# Altium PCB uTCA_MCH_PCB3.pcbdoc (part 20 of 25)
Units mil, origin at the board's own origin, x right, y up, seen from the top; angles counter-clockwise.
Board outline 7110.66 x 2894.12 mil, 12 copper layers (Top Layer, GND1, MidLayer1, PWR1, MidLayer2, GND2, PWR2, MidLayer3, GND3, MidLayer4, PWR3, Bottom Layer), stack 63.15 mil thick; 767 components, 905 nets, 4553 pads, 2832 vias.
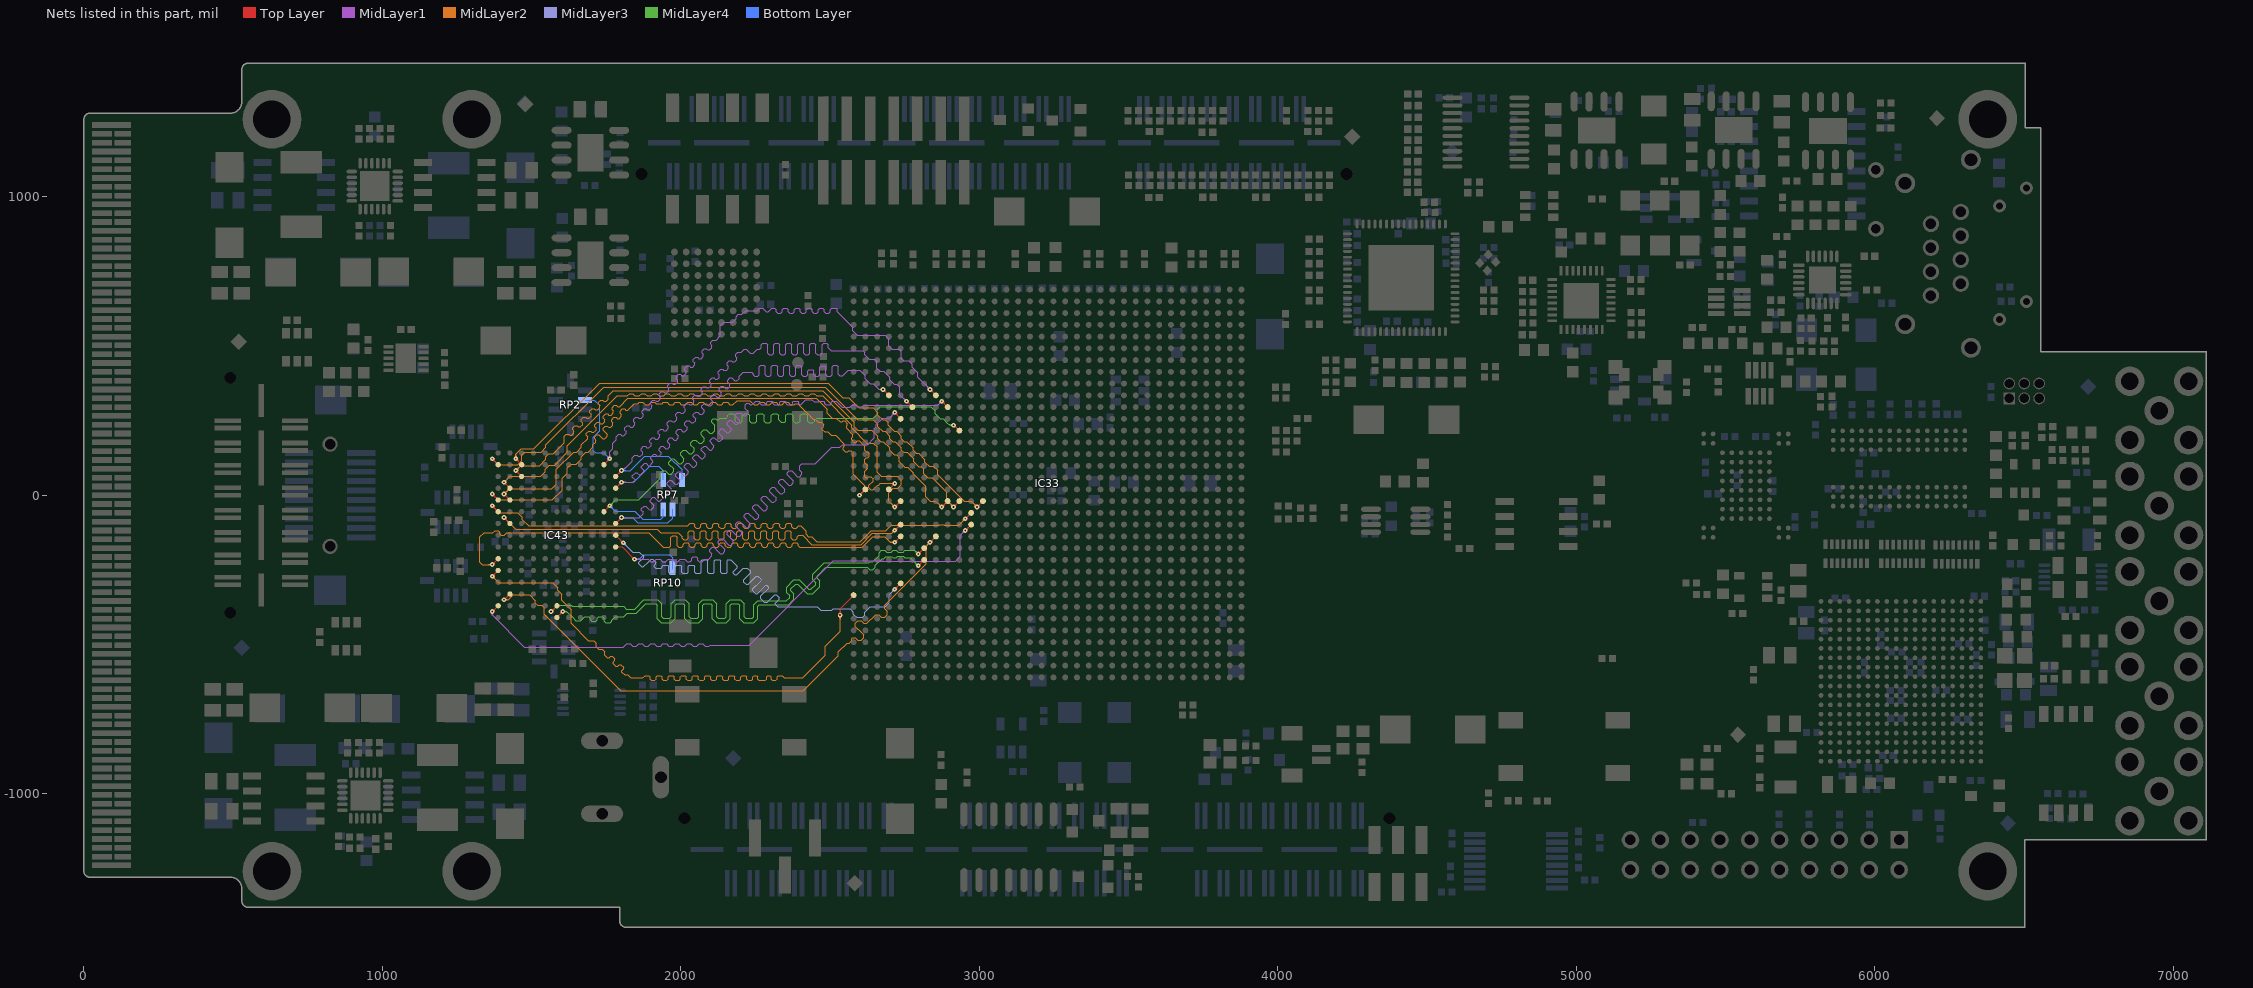
[diagram p30: the nets of this part, all layers, seen from the top]

## Via types
v1: diameter 15.75, hole 5.91, Top Layer to Bottom Layer, tented both sides, 2480 vias
v2: diameter 23.62, hole 11.81, Top Layer to Bottom Layer, tented both sides, 325 vias
v3: diameter 20, hole 10, Top Layer to Bottom Layer, tented both sides, 16 vias
v4: diameter 15.75, hole 7.87, Top Layer to Bottom Layer, tented both sides, 9 vias
v5: diameter 23.62, hole 11.81, Top Layer to Bottom Layer, 1 vias
v6: diameter 15.75, hole 5.91, Top Layer to Bottom Layer, 1 vias

## Nets (pads, with @x,y where several pads share a name; then routed paths per layer and width w, separated by ;. In a path a pad name is that pad's centre, name@x,y a point inside that pad or via, vN(x,y) a via of type N, cw(c..) or ccw(c..) an arc to the next point about the centre after c; other vN are vias at no path point) (continued)
Q2_D30: IC33.AK12 IC43.G1 RP10.4 | length 2219.6
  Top Layer w3.94: IC43.G1@1781.5,-173.23 1803.15,-173.23 v1(1844.48,-214.57) ; v1@1838.58,-214.57 ccw(c1824.31,-214.57) 1834.4,-204.48 ccw(c1844.48,-194.41) v1@1844.48,-208.66 ; v1@2716.54,271.65 cw(c2716.54,262.15) 2723.26,268.87 ; v1@2716.53,275.59 IC33.AK12@2736.22,255.91 ; v1@2718.5,277.56 ccw(c2728.01,277.56) 2721.29,270.84 ; v1@2722.44,277.56 ccw(c2741.45,277.56) 2728.01,264.12
  MidLayer1 w3.94: v1(1844.48,-214.57) 1891.05,-214.57 1898.92,-222.44 1909.07,-222.44 1916.94,-214.57 1931.63,-214.57 1939.5,-222.44 1949.65,-222.44 1957.52,-214.57 1972.21,-214.57 1980.08,-222.44 1990.23,-222.44 1998.1,-214.57 2012.79,-214.57 2020.67,-222.44 2030.81,-222.44 2035.89,-217.37 2035.89,-211.77 2040.96,-206.69 2051.1,-206.69 2056.18,-211.77 2056.18,-217.37 2061.25,-222.44 2071.4,-222.44 2079.27,-214.57 2092.52,-214.57 2103.98,-203.11 2103.98,-195.93 2097.24,-189.19 2097.24,-182.01 2104.41,-174.84 2111.58,-174.84 2121.92,-185.17 2132.25,-195.5 2139.42,-195.5 2146.6,-188.33 2146.6,-181.16 2136.26,-170.82 2125.93,-160.49 2125.93,-153.32 2133.11,-146.14 2140.28,-146.14 2160.94,-166.81 2168.12,-166.81 2175.29,-159.63 2175.29,-152.46 2154.63,-131.79 2154.63,-124.62 2161.8,-117.45 2168.98,-117.45 2189.64,-138.11 2196.81,-138.11 2203.99,-130.94 2203.99,-123.76 2183.32,-103.1 2183.32,-95.92 2190.5,-88.75 2197.67,-88.75 2218.34,-109.41 2225.51,-109.41 2232.68,-102.24 2232.68,-95.07 2222.35,-84.73 2212.02,-74.4 2212.02,-67.23 2219.19,-60.05 2226.37,-60.05 2247.03,-80.72 2254.21,-80.72 2261.38,-73.54 2261.38,-66.37 2240.72,-45.71 2240.72,-38.53 2247.89,-31.36 2255.06,-31.36 2275.73,-52.02 2282.9,-52.02 2290.08,-44.85 2290.08,-37.67 2269.41,-17.01 2269.41,-9.84 2276.59,-2.66 2283.76,-2.66 2304.43,-23.33 2311.6,-23.33 2318.77,-16.15 2318.77,-8.98 2308.44,1.35 2298.11,11.69 2298.11,18.86 2305.28,26.04 2312.46,26.04 2322.79,15.7 2333.12,5.37 2340.3,5.37 2347.47,12.54 2347.47,19.72 2337.14,30.05 2327.53,39.66 2327.53,46.83 2334.71,54.01 2341.88,54.01 2361.82,34.07 2368.99,34.07 2376.17,41.24 2376.17,48.41 2356.25,68.33 2356.25,75.51 2363.42,82.68 2370.6,82.68 2380.18,73.1 2390.51,62.76 2397.69,62.76 2404.86,69.94 2404.86,77.11 2398.12,83.86 2398.12,98.9 2405.51,106.3 2450.79,106.3 2504.74,160.26 2532.3,160.26 2541.69,169.65 2625.9,169.65 2648.31,192.05 2648.31,222.82 2654.7,229.22 2654.7,237.68 2675.71,258.68 2699.62,258.68 v1@2716.53,275.59 ; v1@1848.66,-218.74 cw(c1858.74,-228.82) 1858.74,-214.57 cw(c1858.74,-200.31) v1@1848.66,-210.39 ; 2705.06,264.12 ccw(c2691.63,277.56) v1@2710.63,277.56 ; 2709.81,268.87 cw(c2716.54,262.14) v1@2716.54,271.65 ; 2711.79,270.84 ccw(c2705.07,277.56) v1@2714.57,277.56
  Bottom Layer w3.94: v1(1844.48,-214.57) 1860.24,-214.57 1875.98,-198.82 1962.6,-198.82 1972.44,-208.66 RP10.4@1972.44,-244.1 RP10.4@1972.44,-248.03 ; v1@1848.66,-218.74 cw(c1858.74,-228.82) 1858.74,-214.57 cw(c1858.74,-200.31) v1@1848.66,-210.39
  other v1: 2716.54,277.56
Q2_D31: IC33.AF11 IC43.J1 RP7.8 | length 2220.2
  Top Layer w3.94: IC43.J1@1781.5,-94.49 v1(1801.18,-74.8) ; v1@1795.28,-74.8 cw(c1781.02,-74.8) 1791.1,-84.88 cw(c1801.18,-94.97) v1@1801.18,-80.71 ; v1@2874.02,309.06 cw(c2874.02,294.8) 2884.1,304.88 cw(c2894.18,314.96) v1@2879.92,314.96 ; v1(2874.02,314.96) IC33.AF11@2893.7,295.28
  MidLayer1 w3.94: v1(1801.18,-74.8) 1860.24,-74.8 1873.4,-61.64 1873.4,-55.9 1868,-50.51 1868,-44.77 1876.61,-36.16 1882.35,-36.16 1890.62,-44.42 1895.52,-49.33 1901.26,-49.33 1909.87,-40.72 1909.87,-34.98 1904.96,-30.07 1896.7,-21.81 1896.7,-16.07 1905.31,-7.46 1911.05,-7.46 1919.31,-15.73 1924.22,-20.63 1929.96,-20.63 1960.03,9.45 ; v1@1805.36,-78.98 cw(c1815.44,-89.06) 1815.44,-74.8 cw(c1815.44,-60.55) v1@1805.36,-70.63 ; 1960.13,9.55 1967.26,16.68 1967.26,22.41 1962.36,27.32 1954.09,35.58 1954.09,41.32 1962.7,49.93 1968.44,49.93 1976.71,41.67 1981.61,36.76 1987.35,36.76 1995.96,45.37 1995.96,51.11 1991.05,56.01 1982.79,64.28 1982.79,70.02 1991.4,78.63 1997.14,78.63 2005.4,70.36 2010.3,65.46 2016.04,65.46 2024.65,74.07 2024.65,79.81 2019.75,84.71 2011.48,92.98 2011.48,98.72 2020.09,107.32 2025.83,107.32 2039,94.16 2044.74,94.16 2053.35,102.76 2053.35,108.5 2040.18,121.67 2040.18,127.41 2048.79,136.02 2054.53,136.02 2062.79,127.75 2067.7,122.85 2073.44,122.85 2082.05,131.46 2082.05,137.2 2077.14,142.1 2068.88,150.37 2068.88,156.11 2077.49,164.72 2083.22,164.72 2091.49,156.45 2096.39,151.55 2102.13,151.55 2110.74,160.16 2110.74,165.9 2105.84,170.8 2097.57,179.06 2097.57,184.8 2106.18,193.41 2111.92,193.41 2125.09,180.24 2130.83,180.24 2139.44,188.85 2139.44,194.59 2126.27,207.76 2126.27,213.5 2134.88,222.11 2140.62,222.11 2148.88,213.84 2153.79,208.94 2159.53,208.94 2168.13,217.55 2168.13,223.29 2163.23,228.19 2154.97,236.46 2154.97,242.2 2163.57,250.81 2169.31,250.81 2177.58,242.54 2182.48,237.64 2188.22,237.64 2196.83,246.25 2196.83,251.98 2191.93,256.89 2183.66,265.15 2183.66,270.89 2187.97,275.2 2202.31,275.2 2206.28,271.24 2211.18,266.33 2216.92,266.33 2225.53,274.94 2225.53,280.68 2216.34,289.87 2216.34,303.57 2220.97,308.2 2226.71,308.2 2232.1,302.8 2237.84,302.8 2250,314.96 2262.5,314.96 2265.75,311.71 2265.75,306.4 2269,303.15 2284.15,303.15 2287.4,306.4 2287.4,311.71 2290.65,314.96 2305.81,314.96 2309.06,311.71 2309.06,306.4 2312.3,303.15 2327.46,303.15 2330.71,306.4 2330.71,311.71 2333.96,314.96 2349.11,314.96 2352.36,311.71 2352.36,306.4 2355.61,303.15 2370.77,303.15 2374.02,306.4 2374.02,311.71 2377.26,314.96 2392.42,314.96 2395.67,311.71 2395.67,306.4 2398.92,303.15 2401.03,303.15 2418.18,320.3 2439.21,320.3 2447,312.51 2461.1,312.51 ; 2461.81,312.68 2464.09,314.96 2479.04,314.96 2482.28,311.71 2482.28,306.4 2485.53,303.15 2500.69,303.15 2503.94,306.4 2503.94,311.71 2507.19,314.96 2519.69,314.96 2540.53,294.11 2566.4,294.11 2575.44,303.15 2585.43,303.15 2591.52,297.07 2608.14,297.07 2612.08,301 2860.06,301 v1(2874.02,314.96) ; v1@2868.11,314.96 cw(c2853.86,314.96) 2863.94,304.88 cw(c2874.02,294.79) v1@2874.02,309.06
  Bottom Layer w3.94: v1(1801.18,-74.8) 1838.58,-74.8 1856.3,-92.52 1956.69,-92.52 1972.44,-76.77 RP7.8@1972.44,-47.24 ; v1@1805.36,-78.98 cw(c1815.44,-89.06) 1815.44,-74.8 cw(c1815.44,-60.55) v1@1805.36,-70.63
Q2_D32: IC33.AE13 IC43.K2 RP7.9 | length 2245.3
  Top Layer w3.94: IC43.K2@1742.13,-55.12 v1(1761.81,-35.43) ; v1@1755.91,-35.43 cw(c1741.65,-35.43) 1751.73,-45.51 cw(c1761.81,-55.6) v1@1761.81,-41.34 ; v1@2913.38,228.35 cw(c2913.38,209.32) IC33.AE13@2926.83,222.77 ; v1@2913.38,232.28 cw(c2913.38,222.76) 2920.11,229.49 ; v1@2913.39,236.22 2914.37,235.24 IC33.AE13@2933.07,216.54 ; v1@2919.29,234.25 ccw(c2928.77,234.25) 2922.06,227.54
  MidLayer4 w3.94: v1(1761.81,-35.43) 1781.5,-15.75 1858.27,-15.75 1930.59,56.57 1930.59,65.14 ; v1@1761.81,-29.53 ccw(c1761.81,-15.27) 1771.89,-25.35 ccw(c1781.97,-35.43) v1@1767.72,-35.43 ; 1930.57,65.16 1930.57,73.73 1939.52,82.68 1947.31,82.68 1958.86,71.14 1967.42,71.14 1975.99,79.7 1975.99,88.27 1959.65,104.61 1959.65,111.22 1970.47,122.05 1976.38,122.05 1993.03,105.4 2001.69,105.4 2010.25,113.97 2010.25,122.53 1999.09,133.69 1999.09,142.26 2007.66,150.82 2016.23,150.82 2027.38,139.66 2035.95,139.66 2044.52,148.23 2044.52,156.8 2033.36,167.95 2033.36,176.52 2041.92,185.09 2050.49,185.09 2061.65,173.93 2070.21,173.93 2078.78,182.49 2078.78,191.06 2071.93,197.91 2067.62,202.22 2067.62,210.78 2076.19,219.35 2084.75,219.35 2095.91,208.19 2104.48,208.19 2113.04,216.76 2113.04,234.83 2102.72,245.16 2102.72,250.97 2107.91,256.16 2116.47,256.16 2119.04,253.59 2127.61,253.59 2131.89,257.87 2151.72,257.87 2157.78,263.93 2157.78,267.56 2163.83,273.62 2175.95,273.62 2182,267.56 2182,248.18 2188.06,242.13 2200.18,242.13 2206.23,248.18 2206.23,267.56 2212.29,273.62 2224.4,273.62 2230.46,267.56 2230.46,248.18 2236.52,242.13 2248.63,242.13 2254.69,248.18 2254.69,267.56 2260.75,273.62 2272.86,273.62 2278.92,267.56 2278.92,248.18 2284.97,242.13 2297.09,242.13 2303.15,248.18 2303.15,267.56 2309.2,273.62 2321.32,273.62 2327.37,267.56 2327.37,252.86 2335.51,244.72 2348.14,244.72 2351.6,248.18 2351.6,267.56 2357.66,273.62 2369.77,273.62 2375.83,267.56 2375.83,248.18 2381.89,242.13 2394,242.13 2400.06,248.18 2400.06,267.56 2406.12,273.62 2418.23,273.62 2424.29,267.56 2424.29,248.18 2430.34,242.13 2442.46,242.13 2448.52,248.18 2448.52,251.82 2454.57,257.87 2643.99,257.87 2657.48,271.36 2657.48,287.4 2667.32,297.24 2836.91,297.24 2851.55,282.6 2851.55,272.46 2868.11,255.91 2878.24,255.91 2890.92,243.23 ; 2891.03,243.23 2898.43,235.83 ; 2902.93,235.83 ccw(c2902.93,244.71) v1@2909.2,238.43 ; v1@2908.65,230.71 ccw(c2898.43,223.05) 2898.43,235.83 ; v1@2912.99,235.83 2898.43,235.83
  Bottom Layer w3.94: v1@1761.81,-41.34 cw(c1761.81,-55.6) 1771.89,-45.51 cw(c1781.97,-35.43) v1@1767.72,-35.43 ; v1(1761.81,-35.43) 1780.02,-53.64 1844.98,-53.64 1872.05,-80.71 1933.07,-80.71 1940.94,-72.83 RP7.9@1940.94,-47.24
  other v1: 2913.38,234.25
Q2_D33: IC33.AL10 IC43.M1 RP7.3 | length 2178.7
  Top Layer w3.94: IC43.M1@1781.5,23.62 v1(1801.18,43.31) ; v1@1795.28,43.31 cw(c1781.02,43.31) 1791.1,33.23 cw(c1801.18,23.14) v1@1801.18,37.4 ; v1@2677.17,348.43 cw(c2677.17,334.17) 2687.25,344.25 cw(c2697.33,354.33) v1@2683.07,354.33 ; v1(2677.17,354.33) IC33.AL10@2696.85,334.65
  MidLayer1 w3.94: v1(1801.18,43.31) 1839.57,43.31 1844.93,48.67 1844.93,53.26 1837.33,60.86 1837.33,65.45 1848.04,76.17 1852.64,76.17 1860.24,68.57 1864.83,68.57 1875.55,79.29 1875.55,83.88 1867.95,91.48 1867.95,96.08 1878.67,106.79 1883.26,106.79 1890.86,99.19 1895.45,99.19 1906.17,109.91 1906.17,114.51 1898.57,122.11 1898.57,126.7 1909.29,137.42 1913.88,137.42 1921.48,129.82 1926.08,129.82 1934.06,137.8 1934.06,142.23 1927.08,149.21 1927.08,156.38 1934.25,163.56 1941.43,163.56 1946.19,158.79 1948.89,156.1 1956.06,156.1 1963.24,163.27 1963.24,170.44 1960.54,173.14 1955.78,177.9 1955.78,185.08 1962.95,192.25 1970.12,192.25 1974.89,187.49 1977.58,184.79 1984.76,184.79 1991.93,191.97 1991.93,199.14 1984.47,206.6 1984.47,213.77 1991.65,220.95 1998.82,220.95 2006.28,213.49 2013.46,213.49 2020.63,220.66 2020.63,227.84 2013.17,235.3 2013.17,242.47 2020.34,249.65 2027.52,249.65 2032.28,244.88 2034.98,242.19 2042.15,242.19 2049.33,249.36 2049.33,256.53 2046.63,259.23 2041.87,263.99 2041.87,271.17 2049.04,278.34 2056.21,278.34 2060.98,273.58 2063.67,270.88 2070.85,270.88 2078.02,278.06 2078.02,285.23 2075.33,287.93 2070.56,292.69 2070.56,299.86 2077.74,307.04 2084.91,307.04 2092.37,299.58 2099.54,299.58 2106.72,306.75 2106.72,313.93 2099.26,321.39 2099.26,328.56 2106.43,335.73 2113.61,335.73 2118.37,330.97 2121.07,328.27 2128.24,328.27 2135.41,335.45 2135.41,342.62 2132.72,345.32 2127.95,350.08 2127.95,357.26 2135.13,364.43 2142.3,364.43 2147.07,359.67 2149.76,356.97 2156.94,356.97 2164.11,364.14 2164.11,371.32 2161.42,374.01 2156.65,378.78 2156.65,385.95 2163.82,393.13 2171,393.13 2180.53,383.6 2187.7,383.6 2194.88,390.77 2194.88,397.95 ; v1@1805.36,39.13 cw(c1815.44,29.05) 1815.44,43.31 cw(c1815.44,57.56) v1@1805.36,47.48 ; 2195.2,397.95 2208.66,411.42 2238.19,411.42 2242.57,407.03 2242.57,404.05 2247.64,398.97 2257.79,398.97 2262.86,404.05 2262.86,429.97 2267.94,435.04 2278.08,435.04 2283.15,429.97 2283.15,404.05 2288.23,398.97 2298.37,398.97 2303.45,404.05 2303.45,429.97 2308.52,435.04 2318.66,435.04 2323.74,429.97 2323.74,404.05 2328.81,398.97 2338.96,398.97 2344.03,404.05 2344.03,429.97 2349.1,435.04 2359.25,435.04 2364.32,429.97 2364.32,404.05 2369.39,398.97 2379.54,398.97 2384.61,404.05 2384.61,429.97 2389.68,435.04 2399.83,435.04 2404.9,429.97 2404.9,404.05 2409.97,398.97 2420.12,398.97 2425.19,404.05 2425.19,416.18 2428.98,419.96 2439.66,419.96 ; 2439.86,419.76 2442.48,419.76 2445.48,416.76 2445.48,404.05 2450.56,398.97 2460.7,398.97 2465.78,404.05 2465.78,429.4 2468.43,432.05 2483.99,432.05 2486.07,429.97 2486.07,404.05 2491.14,398.97 2501.29,398.97 2506.36,404.05 2506.36,429.97 2511.43,435.04 2521.58,435.04 2526.65,429.97 ; 2526.65,429.65 2526.65,405.5 2531.72,400.43 2541.87,400.43 2560.73,419.29 2598.43,419.29 2618.11,399.61 2618.11,389.47 2633.57,374.02 2643.7,374.02 2663.38,354.33 ; v1@2672.89,350.26 ccw(c2663.39,341.21) 2663.39,354.33 ; v1@2672.89,358.4 cw(c2663.39,367.46) 2663.39,354.33 ; v1(2677.17,354.33) 2663.38,354.33
  Bottom Layer w3.94: v1(1801.18,43.31) 1842.52,43.31 1895.67,96.46 1926.18,96.46 1940.94,81.69 RP7.3@1940.94,51.18 ; v1@1805.36,39.13 cw(c1815.44,29.05) 1815.44,43.31 cw(c1815.44,57.56) v1@1805.36,47.48
Q2_D34: IC33.AJ11 IC43.N1 RP7.5 | length 2291.8
  Top Layer w3.94: IC43.N1@1781.5,62.99 v1(1801.18,82.68) ; v1@1795.28,82.68 cw(c1781.02,82.68) 1791.1,72.6 cw(c1801.18,62.51) v1@1801.18,76.77 ; v1@2755.91,309.06 cw(c2755.91,294.8) 2765.99,304.88 cw(c2776.07,314.96) v1@2761.81,314.96 ; v1(2755.91,314.96) IC33.AJ11@2775.59,295.28
  MidLayer1 w3.94: v1(1801.18,82.68) 1805.12,82.68 1836.61,114.17 1836.61,125.31 1846.03,134.72 1853.2,134.72 1855.18,132.74 1857.16,130.76 1864.34,130.76 1871.51,137.94 1871.51,145.11 1869.53,147.09 1867.55,149.07 1867.55,156.25 1874.72,163.42 1881.9,163.42 1883.88,161.44 1885.86,159.46 1893.03,159.46 1900.21,166.63 1900.21,173.81 1898.23,175.79 1896.25,177.77 1896.25,184.94 1903.42,192.12 1910.6,192.12 1914.56,188.15 1921.73,188.15 1928.9,195.33 1928.9,202.5 1926.92,204.48 1924.94,206.46 1924.94,213.64 1932.12,220.81 1939.29,220.81 1941.27,218.83 1943.25,216.85 1950.43,216.85 1957.6,224.02 1957.6,231.2 1955.62,233.18 1953.64,235.16 1953.64,242.33 1960.81,249.51 1967.99,249.51 1969.97,247.53 1971.95,245.55 1979.12,245.55 1986.3,252.72 1986.3,259.89 1984.32,261.88 1982.34,263.86 1982.34,271.03 1989.51,278.2 1996.68,278.2 1998.66,276.22 2000.65,274.24 2007.82,274.24 2014.99,281.42 2014.99,288.59 2013.01,290.57 2011.03,292.55 2011.03,299.73 2018.21,306.9 2025.38,306.9 2027.36,304.92 2029.34,302.94 2036.52,302.94 2043.69,310.11 2043.69,317.29 2041.71,319.27 2039.73,321.25 2039.73,328.42 2046.9,335.6 2054.08,335.6 2056.06,333.62 2058.04,331.64 2065.21,331.64 2072.39,338.81 2072.39,345.98 2070.41,347.96 2068.42,349.95 2068.42,357.12 2075.6,364.29 2082.77,364.29 2084.75,362.31 2086.73,360.33 2093.91,360.33 2101.08,367.51 2101.08,374.68 2099.1,376.66 2097.12,378.64 2097.12,385.82 2104.29,392.99 2111.47,392.99 2113.45,391.01 2115.43,389.03 2122.6,389.03 2127.95,394.38 2127.95,405.2 ; v1@1801.18,84.65 ccw(c1801.18,98.9) 1811.26,88.82 ; v1@1801.18,88.58 ccw(c1801.18,112.34) 1817.98,95.54 ; v1@1807.09,82.68 cw(c1811.84,82.68) 1808.48,86.04 ; 2127.8,405.36 2125.82,407.34 2125.82,414.51 2132.99,421.69 2140.17,421.69 2142.15,419.7 ; 2142.56,419.29 2152.87,419.29 2158.47,424.9 2158.47,432.07 2156.49,434.05 2154.51,436.03 2154.51,443.21 2161.69,450.38 2168.86,450.38 2170.84,448.4 2172.82,446.42 2180,446.42 2187.17,453.59 2187.17,460.77 2183.21,464.73 2183.21,471.9 2190.38,479.08 2197.56,479.08 2201.52,479.08 2211.79,489.35 2219.14,489.35 2232.11,476.38 2242.13,476.38 2255.1,489.35 2264.92,489.35 2269.99,494.42 2269.99,503.96 2275.06,509.04 2285.21,509.04 2290.28,503.96 2290.28,475.09 2295.35,470.02 2305.5,470.02 2310.57,475.09 2310.57,503.96 2315.64,509.04 2325.79,509.04 2330.86,503.96 2330.86,475.09 2335.93,470.02 2346.08,470.02 2351.15,475.09 2351.15,503.96 2356.23,509.04 2366.37,509.04 2371.44,503.96 2371.44,475.09 2376.52,470.02 2386.66,470.02 2391.74,475.09 2391.74,503.96 2396.81,509.04 2406.95,509.04 2412.03,503.96 2412.03,475.09 2417.1,470.02 2427.25,470.02 2432.32,475.09 2432.32,503.96 2437.39,509.04 2447.54,509.04 2452.61,503.96 2452.61,475.09 2457.68,470.02 2467.83,470.02 2472.9,475.09 2472.9,503.96 2477.97,509.04 2488.12,509.04 2493.19,503.96 2493.19,494.42 2503.36,484.25 2610.53,484.25 2615.33,479.45 2615.33,470.99 2630.79,455.53 2649.98,455.53 2656.69,448.82 2656.69,425.98 2667.32,415.35 2679.13,415.35 ; 2679.43,415.35 2699.62,395.16 2699.62,386.7 2715.08,371.24 2723.54,371.24 2733.44,361.34 2733.44,337.42 v1(2755.91,314.96) ; v1@2750,314.96 ccw(c2735.74,314.96) 2745.82,325.04 ccw(c2755.91,335.12) v1@2755.91,320.87
  Bottom Layer w3.94: v1(1801.18,82.68) 1830.71,82.68 1878.94,130.91 1957.68,130.91 2003.94,84.65 RP7.5@2003.94,53.15 ; v1@1805.36,78.5 cw(c1815.44,68.42) 1815.44,82.68 cw(c1815.44,96.93) v1@1805.36,86.85
Q2_D35: IC33.AG10 IC43.P2 RP2.3 | length 2292.2
  Top Layer w3.94: IC43.P2@1742.13,102.36 v1(1761.81,122.05) ; v1@1755.91,122.05 cw(c1741.65,122.05) 1751.73,111.97 cw(c1761.81,101.88) v1@1761.81,116.14 ; v1@2834.65,348.43 cw(c2834.65,334.17) 2844.73,344.25 cw(c2854.81,354.33) v1@2840.55,354.33 ; v1(2834.65,354.33) IC33.AG10@2854.33,334.65
  MidLayer1 w3.94: v1@1757.64,126.22 ccw(c1747.55,136.3) 1761.81,136.3 ccw(c1776.07,136.3) v1@1765.99,126.22 ; v1(1761.81,122.05) 1761.81,145.29 1772.2,155.68 1772.2,173.78 1783.91,185.49 1783.91,196.62 1791.09,203.8 1798.26,203.8 1800.24,201.82 1802.22,199.84 1809.4,199.84 1816.57,207.01 1816.57,214.19 1814.59,216.17 1812.61,218.15 1812.61,225.32 1819.78,232.49 1826.96,232.49 1828.94,230.51 1830.92,228.53 1838.09,228.53 1845.27,235.71 1845.27,242.88 1843.29,244.86 1841.31,246.84 1841.31,254.02 1848.48,261.19 1855.66,261.19 1859.62,257.23 1866.79,257.23 1873.96,264.4 1873.96,271.58 1871.98,273.56 1870,275.54 1870,282.71 1877.18,289.89 1884.35,289.89 1886.33,287.91 1888.31,285.93 1895.49,285.93 1902.66,293.1 1902.66,300.27 1900.68,302.25 1898.7,304.24 1898.7,311.41 1905.87,318.58 1913.05,318.58 1915.03,316.6 1917.01,314.62 1924.18,314.62 1931.36,321.8 1931.36,328.97 1929.38,330.95 1927.4,332.93 1927.4,340.11 1934.57,347.28 1941.74,347.28 1943.72,345.3 1945.71,343.32 1952.88,343.32 1960.05,350.49 1960.05,357.67 1958.07,359.65 1956.09,361.63 1956.09,368.8 1963.27,375.98 1970.44,375.98 1972.42,374 1974.4,372.01 1981.58,372.01 1988.75,379.19 1988.75,386.36 1986.77,388.34 1984.79,390.32 1984.79,397.5 1991.96,404.67 1999.14,404.67 2001.12,402.69 2003.1,400.71 2010.27,400.71 2017.45,407.89 2017.45,415.06 2015.47,417.04 2013.48,419.02 2013.48,426.19 2020.66,433.37 2027.83,433.37 2029.81,431.39 2031.79,429.41 2038.97,429.41 2046.14,436.58 2046.14,443.76 2044.16,445.74 2042.18,447.72 2042.18,454.89 2049.35,462.06 2056.53,462.06 2058.51,460.08 2060.49,458.1 2067.66,458.1 2074.84,465.28 2074.84,472.45 2072.86,474.43 2070.88,476.41 2070.88,483.59 2078.05,490.76 2085.22,490.76 2087.21,488.78 2089.19,486.8 2096.36,486.8 2103.53,493.97 2103.53,501.15 2101.55,503.13 2099.57,505.11 2099.57,512.28 2106.75,519.46 2117.88,519.46 ; 2118.11,519.69 2132.23,533.81 2132.23,567.27 2143.7,578.74 2173.23,578.74 2185.04,590.55 ; 2185.66,591.2 2185.66,598.37 2192.84,605.55 2203.97,605.55 2216.54,618.11 2256.37,618.11 2265.03,626.77 2275.05,626.77 2286.66,615.16 2293.5,615.16 2305.11,626.77 2315.13,626.77 2320.14,621.76 2320.14,614.47 2325.15,609.46 2335.17,609.46 2340.18,614.47 2340.18,621.76 2345.19,626.77 2355.21,626.77 2360.22,621.76 2360.22,614.47 2365.23,609.46 2375.25,609.46 2380.26,614.47 2380.26,621.76 2385.27,626.77 2395.28,626.77 2400.29,621.76 2400.29,614.47 2405.3,609.46 2415.32,609.46 2420.33,614.47 2420.33,621.76 2425.34,626.77 2435.36,626.77 2440.37,621.76 2440.37,614.47 2445.38,609.46 2455.4,609.46 2460.41,614.47 2460.41,621.76 2465.42,626.77 2475.44,626.77 2480.45,621.76 2480.45,614.47 2485.46,609.46 2495.48,609.46 2500.49,614.47 2500.49,621.76 2505.5,626.77 2520.87,626.77 2524.18,623.46 2524.18,614.82 2576,563 2576,551 2591.37,535.63 2683.86,535.63 2696.85,522.64 2696.85,507.48 ; 2696.85,506.89 2696.85,500 2707.5,489.35 2733.09,489.35 2738.99,483.45 2738.99,456.87 2745.88,449.98 2763.8,449.98 2774.8,438.98 2774.8,429.53 2793.31,411.02 2793.31,395.67 v1(2834.65,354.33) ; v1@2828.74,354.33 ccw(c2814.48,354.33) 2824.56,364.41 ccw(c2834.65,374.49) v1@2834.65,360.24
  Bottom Layer w3.94: RP2.3@1679.13,318.9 1710.49,318.9 1728.35,301.04 1728.35,216.54 1706.69,194.88 1706.69,149.61 1714.57,141.73 1742.13,141.73 1757.87,125.98 v1@1761.81,125.98 ; v1@1755.91,122.05 ccw(c1741.65,122.05) 1751.73,132.13 ccw(c1761.81,142.21) v1@1761.81,127.95
Q2_DOFF: IC33.AK26 IC43.H1 | length 1968.3
  Top Layer w3.94: IC43.H1@1781.5,-133.86 v1(1807.09,-159.45) ; v1@1801.18,-159.45 ccw(c1786.92,-159.45) 1797.01,-149.37 ccw(c1807.09,-139.29) v1@1807.09,-153.54 ; v1(2716.54,-314.96) IC33.AK26@2736.22,-295.28 ; v1@2716.54,-309.06 ccw(c2716.54,-294.8) 2726.62,-304.88 ccw(c2736.7,-314.96) v1@2722.44,-314.96
  MidLayer3 w3.94: v1@1807.09,-165.35 cw(c1807.09,-179.61) 1817.17,-169.53 cw(c1827.25,-159.45) v1@1812.99,-159.45 ; v1(1807.09,-159.45) 1838.58,-190.94 1861.22,-190.94 1874.78,-204.5 1874.78,-209.1 1858.83,-225.05 1858.83,-229.64 1869.55,-240.36 1874.14,-240.36 1892.39,-222.11 1900.92,-213.58 1905.51,-213.58 1916.23,-224.3 1916.23,-228.89 1910,-235.13 1910,-239.72 1915.35,-245.08 1934.74,-245.08 1937.99,-241.83 1937.99,-237.98 1941.24,-234.73 1956.4,-234.73 1959.65,-237.98 1959.65,-257.58 1962.89,-260.83 1978.05,-260.83 1981.3,-257.58 1981.3,-237.98 1984.55,-234.73 1999.71,-234.73 2002.95,-237.98 2002.95,-257.58 2006.2,-260.83 2021.36,-260.83 2024.61,-257.58 2024.61,-237.98 2027.85,-234.73 2043.01,-234.73 2046.26,-237.98 2046.26,-257.58 2049.51,-260.83 2064.67,-260.83 2067.91,-257.58 2067.91,-219.27 2071.16,-216.02 2086.32,-216.02 2089.57,-219.27 2089.57,-257.58 2092.82,-260.83 2107.97,-260.83 2111.22,-257.58 2111.22,-219.27 2114.47,-216.02 2129.63,-216.02 2132.87,-219.27 2132.87,-257.58 2136.12,-260.83 2151.28,-260.83 2154.53,-257.58 2154.53,-219.27 2157.78,-216.02 2166.81,-216.02 2189.41,-238.62 2189.41,-243.21 2176.24,-256.38 2176.24,-260.97 2181.25,-265.98 2187.52,-265.98 2208.81,-244.69 2223.14,-244.69 2233.86,-255.41 2233.86,-260.01 2222.33,-271.54 2211.42,-282.45 2211.42,-291.26 2218.36,-298.2 2226.29,-298.2 2253.1,-271.39 2257.7,-271.39 2268.41,-282.1 2268.41,-286.7 2241.38,-313.73 2241.38,-320.48 2251.41,-330.51 2255.22,-330.51 2283.73,-302.01 2288.32,-302.01 2294.13,-307.82 2294.13,-311.18 2268.11,-337.21 2268.11,-347.28 2278.98,-358.15 2288.83,-358.15 2314.35,-332.63 2318.94,-332.63 2329.66,-343.35 2329.66,-347.94 2316.49,-361.11 2316.49,-365.7 2324.65,-373.86 2456.54,-373.86 2468.5,-385.83 2504.92,-385.83 2509.84,-380.91 2566.66,-380.91 2577.39,-391.63 2577.39,-397.88 2588.92,-409.41 2608.89,-409.41 2616.14,-402.16 2616.14,-392.72 2634.84,-374.02 2684.06,-374.02 2697.83,-360.24 2697.83,-333.66 v1(2716.54,-314.96) ; v1@2710.63,-314.96 cw(c2696.37,-314.96) 2706.46,-325.04 cw(c2716.54,-335.12) v1@2716.54,-320.87